# Altium PCB 400151.PcbDoc (part 1 of 2) (continued)
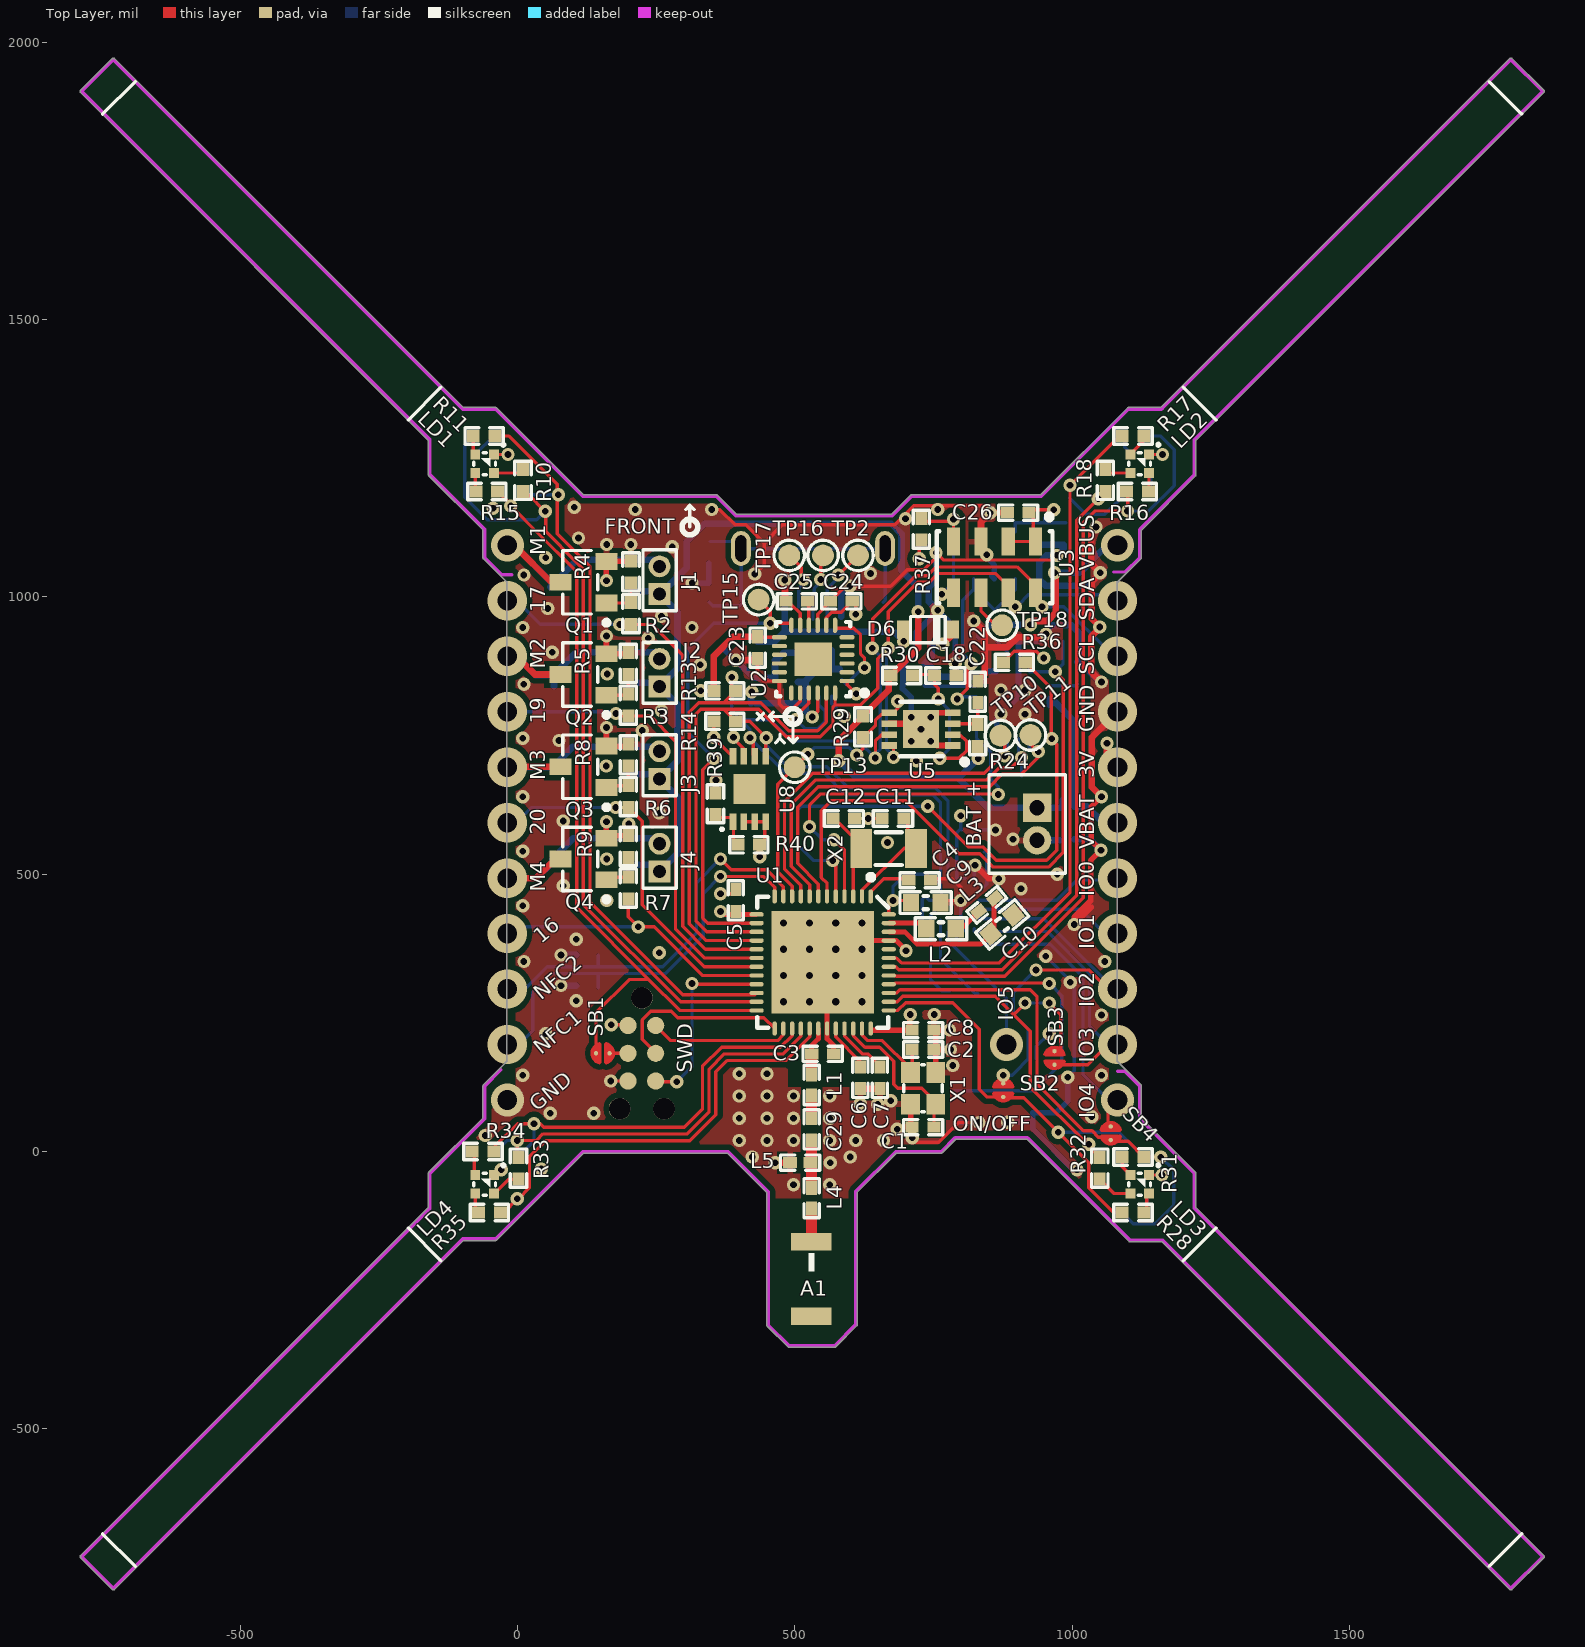
[diagram p0: Top Layer view]
## Components (designator, comment, footprint, x,y, rotation, side; value= is the part's Value field where it differs from the comment) (continued)
BAT "B2B-ZR" B2B-ZR 937.01,590.55 r270 top
C1 "12pF" CAPC1005X04L 731.5,44 r180 top
C2 "12pF" CAPC1005X04L 731.5,184 r0 top
C3 "0.8pF" CAPC1005X04L 550.5,176 r180 top
C4 "100nF" CAPC1005X04L 725.39,489.17 r0 top
C5 "100nF" CAPC1005X04L 393.7,452.76 r90 top
C6 "N.C." CAPC1005X04L 618.5,133 r90 top
C7 "100pF" CAPC1005X04L 653.5,133 r270 top
C8 "100nF" CAPC1005X04L 731.5,219 r0 top
C9 "4.7µF" CAPC1608X06L 736.22,448.82 r0 top
C10 "1.0µF" CAPC1608X06L 874.02,409.45 r220 top
C11 "12pF" CAPC1005X04L 677.17,600.39 r180 top
C12 "12pF" CAPC1005X04L 588.58,600.39 r0 top
C13 "1.0µF" CAPC1005X04L 845,975 r0 bottom
C14 "1.0µF" CAPC1005X04L 985.31,1114 r90 bottom
C15 "100nF" CAPC1005X04L 946.81,1114 r90 bottom
C16 "4.7µF" CAPC1005X04L 714.97,880 r180 bottom
C17 "22µF" CAPC2012X11L 1003.94,592.52 r270 bottom
C18 "1.0µF" CAPC1005X04L 771.65,858.27 r180 top
C19 "100nF" CAPC1005X04L 346.46,1003.94 r270 bottom
C20 "10µF" CAPC1608X06L 393.7,917.32 r0 bottom
C21 "100nF" CAPC1005X04L 464.57,901.57 r90 bottom
C22 "100nF" CAPC1005X04L 830,829 r270 top
C23 "100nF" CAPC1005X04L 433.07,908.46 r90 top
C24 "10nF" CAPC1005X04L 584.18,992.12 r0 top
C25 "100nF" CAPC1005X04L 503.94,992.13 r0 top
C26 "100nF" CAPC1005X04L 903,1152 r180 top
C27 "130pF" CAPC1005X04L 125.98,354.33 r180 bottom
C28 "130pF" CAPC1005X04L 125.98,299.21 r0 bottom
C29 "1.2pF" CAPC1005X04L 530.5,40 r270 top
C30 "100nF" CAPC1005X04L 817.98,580 r180 bottom
C31 "4.7µF" CAPC1608X06L 421.26,834.65 r270 bottom
C32 "100nF" CAPC1005X04L 464.57,822.83 r270 bottom
D1 "BAT42W" SOD-123 206.04,1023.01 r180 bottom
D2 "BAT42W" SOD-123 206.04,857.01 r180 bottom
D3 "BAT42W" SOD-123 206.04,691 r180 bottom
D4 "BAT42W" SOD-123 206.04,525 r180 bottom
D5 "ZLLS410TA" SOD-323 790.35,919.29 r0 bottom
D6 "ZLLS410TA" SOD-323 740.16,940.94 r180 top
J1 "Pin List 1x2 1.27mm" LIST_1x2_TH_1.27mm_N.C. 256.4,1030 r90 top
J2 "Pin List 1x2 1.27mm" LIST_1x2_TH_1.27mm_N.C. 256.4,863.33 r90 top
J3 "Pin List 1x2 1.27mm" LIST_1x2_TH_1.27mm_N.C. 256.4,696.67 r90 top
J4 "Pin List 1x2 1.27mm" LIST_1x2_TH_1.27mm_N.C. 256.4,530 r90 top
J6 "MicroUSB-B" USB-Micro-B-RA-SMD-PiP 533,982 r270 bottom
L1 "3.9nH" INDC1005X04L 530.5,120 r270 top
L2 "10µH" INDC1608X06L 763.78,401.57 r180 top
L3 "15nH" INDC1005X04L 846.46,444.88 r220 top
L4 "3.3nH" INDC1005X04L 530.5,-83.94 r270 top
L5 "2.7nH" INDC1005X04L 510,-20 r0 top
LD1 "LED RGB" SML-LX0404SIUPGUSB -59.06,1240.16 r0 top
LD1B "LED RGB" SML-LX0404SIUPGUSB -59.06,1240.16 r90 bottom
LD2 "LED RGB" SML-LX0404SIUPGUSB 1122.05,1240.16 r0 top
LD2B "LED RGB" SML-LX0404SIUPGUSB 1122,1240 r90 bottom
LD3 "LED RGB" SML-LX0404SIUPGUSB 1122.05,-59.06 r0 top
LD3B "LED RGB" SML-LX0404SIUPGUSB 1122,-59 r90 bottom
LD4 "LED RGB" SML-LX0404SIUPGUSB -59.06,-59.06 r0 top
LD4B "LED RGB" SML-LX0404SIUPGUSB -59,-59 r90 bottom
LOGO1 "Nordic Logo M" NORDIC_LOGO_M 529,42 r90 bottom
Q1 "PMV31XN" SOT-23a 160.58,989.01 r90 top
Q2 "PMV31XN" SOT-23a 160.58,822.68 r90 top
Q3 "PMV31XN" SOT-23a 160.58,656.34 r90 top
Q4 "PMV31XN" SOT-23a 160.58,490 r90 top
R1 "1k" RESC1005X04L 713.99,840 r180 bottom
R2 "100R" RESC1005X04L 205,970 r90 top
R3 "100R" RESC1005X04L 200,805 r90 top
R4 "10k" RESC1005X04L 205,1045 r270 top
R5 "10k" RESC1005X04L 200,880 r270 top
R6 "100R" RESC1005X04L 200,640 r90 top
R7 "100R" RESC1005X04L 200,475 r90 top
R8 "10k" RESC1005X04L 200,715 r270 top
R9 "10k" RESC1005X04L 200,550 r270 top
R10 "2k2" RESC1005X04L 10,1210 r90 top
R10B "2k2" RESC1005X04L -60,1290 r0 bottom
R11 "680R" RESC1005X04L -60,1290 r180 top
R11B "680R" RESC1005X04L 10,1210 r90 bottom
R12 "10k" RESC1005X04L 346.46,1082.68 r90 bottom
R13 "4k7" RESC1005X04L 374.02,830.71 r180 top
R14 "4k7" RESC1005X04L 374.02,775.59 r180 top
R15 "820R" RESC1005X04L -55,1190 r180 top
R15B "820R" RESC1005X04L -50,1190 r180 bottom
R16 "2k2" RESC1005X04L 1118,1190 r0 top
R16B "2k2" RESC1005X04L 1110,1290 r180 bottom
R17 "680R" RESC1005X04L 1110,1290 r0 top
R17B "680R" RESC1005X04L 1118,1190 r0 bottom
R18 "820R" RESC1005X04L 1060,1210 r90 top
R18B "820R" RESC1005X04L 1060,1210 r90 bottom
R19 "12k" RESC1005X04L 735,480 r90 bottom
R20 "1k" RESC1005X04L 967.52,921.26 r180 bottom
R21 "10k" RESC1005X04L 889.76,921.26 r0 bottom
R22 "12k" RESC1005X04L 818.97,545 r180 bottom
R23 "10k" RESC1005X04L 1010,863 r270 bottom
R24 "150R" RESC1005X04L 830,750 r270 top
R25 "10k" RESC1005X04L 963.58,167.32 r0 bottom
R28 "2k2" RESC1005X04L 1110,-110 r0 top
R28B "2k2" RESC1005X04L 1110,-10 r180 bottom
R29 "4k7" RESC1005X04L 623.03,765.75 r90 top
R30 "1k" RESC1005X04L 692.91,858.27 r0 top
R31 "680R" RESC1005X04L 1110,-10 r180 top
R31B "680R" RESC1005X04L 1110,-110 r0 bottom
R32 "820R" RESC1005X04L 1050,-30 r270 top
R32B "820R" RESC1005X04L 1050,-30 r270 bottom
R33 "2k2" RESC1005X04L 2,-30 r270 top
R33B "2k2" RESC1005X04L -62,-4 r180 bottom
R34 "680R" RESC1005X04L -62,0 r180 top
R34B "680R" RESC1005X04L 2,-30 r270 bottom
R35 "820R" RESC1005X04L -50.32,-110 r180 top
R35B "820R" RESC1005X04L -50.32,-110 r180 bottom
R36 "10k" RESC1005X04L 896,882 r180 top
R37 "N.C." RESC1005X04L 728.35,1122.05 r270 top
R38 "0R" RESC1005X04L 728.35,1122.05 r90 bottom
R39 "N.C." RESC1005X04L 357.28,626.97 r90 top
R40 "0R" RESC1005X04L 417.32,553.15 r180 top
SB1 "Solderbridge" Solderbridge 154.04,177.17 r180 top
SB2 "Solderbridge" Solderbridge 875.98,110.73 r90 top
SB3 "Solderbridge" Solderbridge 968.5,168.8 r270 top
SB4 "Solderbridge" Solderbridge 1069.88,32.97 r90 top
SW1 "PTS840 GK SMTR LFS" EVQP7A/J/B/K 858,85 r180 bottom
SWD "TC2030-CTX-NL" TC2030-IDC-NLFP 224.41,177.17 r270 top
TP2 "Ø1.0mm,SMD" TP_SMD_Ø1.0mm 614.17,1074.8 r0 top
TP8 "Ø1.0mm,SMD" TP_SMD_Ø1.0mm 853.56,677.17 r180 bottom
TP9 "Ø1.0mm,SMD" TP_SMD_Ø1.0mm 512.8,629.92 r180 bottom
TP10 "Ø1.0mm,SMD" TP_SMD_Ø1.0mm 871,750 r0 top
TP11 "Ø1.0mm,SMD" TP_SMD_Ø1.0mm 925.2,750.98 r0 top
TP12 "Ø1.0mm,SMD" TP_SMD_Ø1.0mm 909.45,677.17 r180 bottom
TP13 "Ø1.0mm,SMD" TP_SMD_Ø1.0mm 500,692.91 r0 top
TP14 "Ø1.0mm,SMD" TP_SMD_Ø1.0mm 705,405 r180 bottom
TP15 "Ø1.0mm,SMD" TP_SMD_Ø1.0mm 435.04,995.08 r0 top
TP16 "Ø1.0mm,SMD" TP_SMD_Ø1.0mm 551.18,1074.8 r0 top
TP17 "Ø1.0mm,SMD" TP_SMD_Ø1.0mm 490.16,1074.8 r0 top
TP18 "Ø1.0mm,SMD" TP_SMD_Ø1.0mm 874.02,948.82 r0 top
TP20 "Ø1.0mm,SMD" TP_SMD_Ø1.0mm 830,280 r180 bottom
TP21 "Ø1.0mm,SMD" TP_SMD_Ø1.0mm 775,280 r180 bottom
U1 "nRF52832-QFAA" QFN40P600X600X90-48N 550.5,341 r270 top locked
U2 "MPU-9250" QFN40P300X300X105_HS-25N 533.46,887.8 r180 top
U3 "MS5611" QFN125P300X500X100-8N 860.46,1053.74 r270 top
U4 "BQ24075" QFN50P300X300X100_HS-17N 893.67,810 r180 bottom
U5 "MAX17043" MAX17043 727.72,761.65 r180 top
U6 "PCAL6408A" XQFN40P180X260X50-16N 800,445 r180 bottom
U7 "TLV70230DBVT" SOT-23-5 860,1074.99 r180 bottom
U8 "24AA64F" 24AA64F 418.31,653.54 r0 top
U9 "LPS25H" "HCLGA-10L (2.5x2.5x1.0mm)" 543.31,858.27 r180 bottom
X1 "32MHz" BT-XTAL_2016 731.5,114 r90 top
X2 "32.768kHz" XTAL_3215 669.29,546.26 r180 top

## Footprints (in the part's own frame and the unit in brackets; to place one, negate y for a bottom-side part, rotate by r counter-clockwise, add the part's x,y. Pads: shape width x height; smd on the part's side, far side on the other; paste and mask are expansions set on the pad)
24AA64F [mm]
  rect 0.3x0.75 smd: 1(-0.75,-1.5) 2(-0.25,-1.5) 3(0.25,-1.5) 4(0.75,-1.5) 5(0.75,1.5) 6(0.25,1.5) 7(-0.25,1.5) 8(-0.75,1.5)
  rect 1.46x1.36 smd: ""(0,0)
  silkscreen extent -1.27,-1.85 -1.25,-1.83, body extent -1,-1.98 1,1.98, height 1
2450AT18B100 [mm] "2450MHz Antenna"
  rect 0.8x1.85 smd: 1(-1.7,0) 2(1.7,0)
  Top Layer pour cut-out: -3.71,-4.94 -3.71,4.93 6.09,4.93 6.09,-4.94
  Bottom Layer pour cut-out: -3.71,-4.94 -3.71,4.93 6.09,4.93 6.09,-4.94
  silkscreen extent -1.18,-0.14 -0.34,0.14, body extent -1.7,-0.9 1.7,0.9, height 1.4
B2B-ZR [mm]
  rect 1.3x1.3 hole 0.7: 1(-0.75,0)
  round 1.3 hole 0.7: 2(0.75,0)
  silkscreen extent -2.25,-2.2 2.25,1.3
BT-XTAL_2016 [mm] "Crystal 2.0 x 1.6 mm"
  rect 0.95x0.85 smd: 1(-0.725,-0.575) 2(0.725,-0.575) 3(0.725,0.575) 4(-0.725,0.575)
  silkscreen extent -1.08,-0.88 1.08,0.88, body extent -1.05,-0.85 1.05,0.85, height 0.56
CAPC1005X04L [mm] "Chip Capacitor, 2-Leads, Body 1.0x0.5mm, IPC High Density"
  rect 0.6x0.5 smd: 1(-0.5,0) 2(0.5,0)
  silkscreen extent -0.9,-0.35 0.9,0.35, body extent -0.51,-0.25 0.51,0.25, height 0.5
CAPC1608X06L [mm] "Chip Capacitor, 2-Leads, Body 1.6x0.8mm, IPC High Density"
  rect 0.75x0.8 smd: 1(-0.675,0) 2(0.675,0)
  silkscreen extent -1.17,-0.5 1.17,0.5, body extent -0.8,-0.43 0.8,0.43, height 0.8
CAPC2012X11L [mm] "Chip Capacitor, 2-Leads, Body 2.0x1.3mm, IPC High Density"
  rect 1.1x1.4 smd: 1(-0.75,0) 2(0.75,0)
  silkscreen extent -1.43,-0.8 1.42,0.8, body extent -1,-0.62 1,0.63, height 0.77
EVQP7A/J/B/K [mm] "Subminiature Side Actuated Tact Switch for SMT"
  rect 1.4x1.05 smd: 1(-1.8,0.725) 1(1.8,0.725) 2(-1.8,-0.725) 2(1.8,-0.725)
  silkscreen extent -1.75,-2.1 1.75,1.45, body extent -2.35,-2.1 2.35,1.45, height 1.35
"HCLGA-10L (2.5x2.5x1.0mm)" [mm] "LGA, 10-Leads, Body 2.50x2.50mm, Pitch 0.60mm"
  rect 0.8x0.4 smd mask+0.051: 1(-1.05,0.3) 2(-1.05,-0.3) 6(1.05,-0.3) 7(1.05,0.3)
  rect 0.4x0.8 smd mask+0.051: 3(-0.6,-1.05) 4(0,-1.05) 5(0.6,-1.05) 8(0.6,1.05) 9(0,1.05) 10(-0.6,1.05)
  silkscreen extent -2.18,-1.4 1.4,1.4, body extent -1.25,-1.25 1.25,1.25, height 1.09
INDC1005X04L [mm] "Chip Inductor, 2-Leads, Body 1.0x0.5mm, IPC High Density"
  rect 0.65x0.5 smd: 1(-0.475,0) 2(0.475,0)
  silkscreen extent -0.9,-0.35 0.9,0.35, body extent -0.5,-0.3 0.5,0.3, height 0.5
INDC1608X06L [mm] "Chip Inductor, 2-Leads, Body 1.6x0.8mm, IPC High Density"
  rect 0.75x0.8 smd: 1(-0.675,0) 2(0.675,0)
  silkscreen extent -1.18,-0.5 1.17,0.5, body extent -0.8,-0.48 0.8,0.48, height 0.8
LIST_1x2_TH_1.27mm_N.C. [mm]
  rect 1x1 hole 0.6: 1(-0.635,0)
  round 1 hole 0.6: 2(0.635,0)
  silkscreen extent -1.4,-0.76 1.4,0.76
MAX17043 [mm]
  rect 0.7x0.3 smd: 1(-1.45,0.75) 2(-1.45,0.25) 3(-1.45,-0.25) 4(-1.45,-0.75) 5(1.45,-0.75) 6(1.45,-0.25) 7(1.45,0.25) 8(1.45,0.75)
  rect 1.63x1.75 smd: 9(0,0)
  silkscreen extent -2.13,-1.25 0.95,1.62, body extent -1.5,-1.25 1.5,1.25, height 1.1
NORDIC_LOGO_M [mil] "Medium Nordic Logo"
  silkscreen extent -80,-78 90,80
QFN40P300X300X105_HS-25N [mm] "QFN, 24-Leads, Body 3,00x3,00mm, Pitch 0,40mm, Thermal Pad 1,54x1,70mm, IPC Medium Density"
  rect 1.7x1.54 smd: 0(0,0)
  oval 0.7x0.2 smd: 1(-1.55,1) 2(-1.55,0.6) 3(-1.55,0.2) 4(-1.55,-0.2) 5(-1.55,-0.6) 6(-1.55,-1) 13(1.55,-1) 14(1.55,-0.6) 15(1.55,-0.2) 16(1.55,0.2) 17(1.55,0.6) 18(1.55,1)
  oval 0.2x0.7 smd: 7(-1,-1.55) 8(-0.6,-1.55) 9(-0.2,-1.55) 10(0.2,-1.55) 11(0.6,-1.55) 12(1,-1.55) 19(1,1.55) 20(0.6,1.55) 21(0.2,1.55) 22(-0.2,1.55) 23(-0.6,1.55) 24(-1,1.55)
  silkscreen extent -2.48,-1.7 1.7,1.7, body extent -1.55,-1.55 1.55,1.55, height 1.05
QFN40P600X600X90-48N [mm] "QFN, 48-Leads, Body 6,0x6,0mm (max), Pitch 0,40mm, IPC Medium Density"
  oval 0.65x0.2 smd: 1(-3.025,2.2) 2(-3.025,1.8) 3(-3.025,1.4) 4(-3.025,1) 5(-3.025,0.6) 6(-3.025,0.2) 7(-3.025,-0.2) 8(-3.025,-0.6) 9(-3.025,-1) 10(-3.025,-1.4) 11(-3.025,-1.8) 12(-3.025,-2.2) 25(3.025,-2.2) 26(3.025,-1.8) 27(3.025,-1.4) 28(3.025,-1) 29(3.025,-0.6) 30(3.025,-0.2) 31(3.025,0.2) 32(3.025,0.6) 33(3.025,1) 34(3.025,1.4) 35(3.025,1.8) 36(3.025,2.2)
  oval 0.2x0.65 smd: 13(-2.2,-3.025) 14(-1.8,-3.025) 15(-1.4,-3.025) 16(-1,-3.025) 17(-0.6,-3.025) 18(-0.2,-3.025) 19(0.2,-3.025) 20(0.6,-3.025) 21(1,-3.025) 22(1.4,-3.025) 23(1.8,-3.025) 24(2.2,-3.025) 37(2.2,3.025) 38(1.8,3.025) 39(1.4,3.025) 40(1,3.025) 41(0.6,3.025) 42(0.2,3.025) 43(-0.2,3.025) 44(-0.6,3.025) 45(-1,3.025) 46(-1.4,3.025) 47(-1.8,3.025) 48(-2.2,3.025)
  rect 4.7x4.7 smd: 49(0,0)
  silkscreen extent -4.02,-3 3,3, body extent -3.02,-3.02 3.02,3.02, height 0.86
QFN50P300X300X100_HS-17N [mm] "QFN, 16-Leads, Body 3,00x3,00mm, Pitch 0,50mm, Thermal Pad 2,05x2,05mm, IPC Medium Density"
  oval 0.9x0.25 smd: 1(-1.675,0.75) 2(-1.675,0.25) 3(-1.675,-0.25) 4(-1.675,-0.75) 9(1.675,-0.75) 10(1.675,-0.25) 11(1.675,0.25) 12(1.675,0.75)
  oval 0.25x0.9 smd: 5(-0.75,-1.675) 6(-0.25,-1.675) 7(0.25,-1.675) 8(0.75,-1.675) 13(0.75,1.675) 14(0.25,1.675) 15(-0.25,1.675) 16(-0.75,1.675)
  rect 2.05x2.05 smd: 17(0,0)
  silkscreen extent -2.5,-1.73 1.73,1.73, body extent -1.58,-1.58 1.58,1.58, height 1
QFN125P300X500X100-8N [mm] "QFN, 8-Leads, Body 3,00x5,00mm, Pitch 1,25mm, IPC Medium Density"
  rect 1.3x0.6 smd: 1(-1.175,1.875) 2(-1.175,0.625) 3(-1.175,-0.625) 4(-1.175,-1.875) 5(1.175,-1.875) 6(1.175,-0.625) 7(1.175,0.625) 8(1.175,1.875)
  silkscreen extent -2.42,-2.65 1.65,2.65, body extent -1.51,-2.49 1.49,2.51, height 1
RESC1005X04L [mm] "Chip Resistor, 2-Leads, Body 1.0x0.5mm, IPC High Density"
  rect 0.6x0.55 smd: 1(-0.5,0) 2(0.5,0)
  silkscreen extent -0.87,-0.38 0.88,0.38, body extent -0.5,-0.25 0.5,0.25, height 0.3
SML-LX0404SIUPGUSB [mm]
  rect 0.45x0.45 smd paste+0: 1(0.425,-0.425) 2(-0.425,0.425) 3(-0.425,-0.425) 4(0.425,0.425)
  silkscreen extent -0.5,-0.5 0.92,0.93, body extent -0.5,-0.5 0.5,0.5, height 0.25
SOD-123 [mil]
  rect 36x48 smd: 1(140,0) 3(0,0)
  silkscreen extent 20,-25 120,25, body extent -3,-31 143,32, height 50
SOD-323 [mm]
  rect 0.63x0.83 smd: 1(1.1,0) 3(-1.1,0)
  silkscreen extent -0.8,-0.6 0.8,0.6, body extent -1.3,-0.67 1.3,0.67, height 1.1
Solderbridge [mm]
  round 0.2 smd paste-10: 1(-0.312,0) 2(0.312,0)
  Top Layer region: -0.077,-0.432 -0.152,-0.505 -0.271,-0.467 -0.335,-0.424 -0.409,-0.351 -0.462,-0.292 -0.521,-0.193 -0.549,-0.099 -0.544,0.122 -0.518,0.193 -0.434,0.33 -0.351,0.411 -0.259,0.469 -0.157,0.5 -0.107,0.483 -0.077,0.43
  Top Layer region: 0.077,0.432 0.152,0.505 0.271,0.467 0.335,0.424 0.409,0.351 0.462,0.292 0.521,0.193 0.549,0.099 0.544,-0.122 0.518,-0.193 0.434,-0.33 0.351,-0.411 0.259,-0.469 0.157,-0.5 0.107,-0.483 0.077,-0.43
  Top Layer lines w0.152: 0.153,0.431 cw(c0.042,0) 0.153,-0.431 ; -0.153,0.431 ccw(c-0.042,0) -0.153,-0.431
SOT-23-5 [mm] "SOT-23/SC-74A; 5 Leads; Body 3.1 x 3 mm, inc. leads (LxW max)"
  rect 0.55x1.45 smd: 1(-0.95,-1.075) 2(0,-1.075) 3(0.95,-1.075) 4(0.95,1.075) 5(-0.95,1.075)
  silkscreen extent -1.57,-1.35 1.55,0.9, body extent -1.5,-1.5 1.5,1.5, height 1.3
SOT-23a [mil] "SOT-23 footprint"
  rect 30x40 smd: 1(0,0) 2(74.8,0) 3(37.4,82.68)
  silkscreen extent -39,-4 94,79, body extent -20,-5 95,87, height 39
TC2030-IDC-NLFP [mil]
  round 39 hole 39 unplated: 0(-100,0) 0(100,40) 0(100,-40)
  round 31 smd paste-196.85: 1(-50,-25) 2(-50,25) 3(0,-25) 4(0,25) 5(50,-25) 6(50,25)
  Top Layer pour cut-out: -50,25 -50,-25 50,-25 50,25
TP_SMD_Ø1.0mm [mm]
  round 1 smd paste-5: 1(0,0)
  silkscreen extent -0.7,-0.7 0.7,0.7
USB-Micro-B-RA-SMD-PiP [mm] "Micro USB B SMT"
  rect 1.35x0.4 smd: 1(0,1.3) 2(0,0.65) 3(0,0) 4(0,-0.65) 5(0,-1.3)
  oval 1.6x0.9 hole 0.5 slot 1.2 at 0 deg: 6(-2.675,-3.3) 6(-2.675,3.3)
  oval 2x1.5 on Bottom Paste: 6(-2.675,-3.3) 6(-2.675,3.3)
  rect 1.55x1.9 smd: 6(-2.675,-1.2) 6(-2.675,1.2)
  rect 1.4x1.6 smd: 6(-0.225,-3.2) 6(-0.225,3.2)
  silkscreen extent -4.75,-3.75 0.25,3.75, body extent -5.28,-4.1 0.15,4.1, height 2.72
XQFN40P180X260X50-16N [mm] "QFN, 16-Leads, Body 1.80x2.60mm, Pitch 0.40mm, IPC Medium Density"
  oval 0.65x0.22 smd paste-0.02 mask+0.062: 1(-0.825,0.6) 2(-0.825,0.2) 3(-0.825,-0.2) 4(-0.825,-0.6) 9(0.825,-0.6) 10(0.825,-0.2) 11(0.825,0.2) 12(0.825,0.6)
  oval 0.22x0.65 smd paste-0.02 mask+0.062: 5(-0.6,-1.225) 6(-0.2,-1.225) 7(0.2,-1.225) 8(0.6,-1.225) 13(0.6,1.225) 14(0.2,1.225) 15(-0.2,1.225) 16(-0.6,1.225)
  silkscreen extent -1.45,-1.4 1,1.4, body extent -0.91,-1.31 0.91,1.31, height 0.55
XTAL_3215 [mm] "XTAL SMD 3.2 x 1.5 mm"
  rect 1x1.8 smd: 1(-1.25,0) 2(1.25,0)
  silkscreen extent -0.6,-0.75 0.6,0.75, body extent -1.6,-0.75 1.6,0.75, height 0.81

## Part data
A1: library part "Johanson 2450AT18B100", "2.45 GHz chip antenna"
BAT: "CONN JST 2POS 0.059\" (1.50mm)"
C1 C2 C11 C12: library part C0402-12p, "Capacitor, NP0, ±2%"
C3: library part C0402-0.8p, "Capacitor, NP0, ±5%"
C4 C5 C8 C15 C19 C21 C22 C23 C25 C26 C30 C32: library part C0402-100n, "Capacitor, X7R, ±10%"
C6: library part C0402-N.C., "Not mounted"
C7: library part C0402-100p, "Capacitor, NP0, ±5%"
C9 C31: library part C0603-4µ7, "Capacitor, X5R, ±10%"
C10: library part C0603-1µ0, "Capacitor, X7R, ±10%"
C13 C14 C18: library part C0402-1µ0, "Capacitor, X5R, ±5%"
C16: library part C0402-4µ7, "Capacitor, X5R, ±20%"
C17: library part C0805-22µ, "Capacitor, X5R, ±10%"
C20: library part C0603-10µ, "Capacitor, X5R, ±20%"
C24: library part C0402-10n, "Capacitor, X7R, ±10%"
C27 C28: library part C0402-130p, "Chip Cap 0402"
C29: library part C0402-1.2p, "Capacitor, NP0, ±0.1pF"
D1 D2 D3 D4: "Diode Schottky, Vr=30V, If=200mA, Vf=400mV, SOD-123"
D5 D6: "DIODE SCHOTTKY 10V 0.57A SOD323"
J1 J2 J3 J4: library part "Pin List 1x2 TH, 1.27mm, N.C.", "Pin List 1x2, 1.27mm (50mil), N.C."
J6: library part USB-Micro-B-RA-SMD-PiP, "MicroUSB-B-SMT"
L1: library part L0402-3n9, "Inductor, 170mA, ±0.1nH"
L2: library part L0603-10µ, "Inductor, 80mA, ±10%"
L3: library part L0402-15n, "Inductor, 320mA, ±5%"
L4: library part L0402-3n3, "Inductor, 190mA, ±0.1nH"
L5: library part L0402-2n7, "Inductor, 220mA, ±0.1nH"
LD1 LD1B LD2 LD2B LD3 LD3B LD4 LD4B: library part SML-LX0404SIUPGUSB, "RGB LED 1.00 mm x 1.00 mm SMD"
LOGO1: "Nordic Logo, medium size"
Q1 Q2 Q3 Q4: "N-channel TrenchMOS FET"
R1 R20 R30: library part R0402-1k0, "Resistor, ±1%, 0.063W"
R2 R3 R6 R7: library part R0402-100, "Resistor, ±1%, 0.063W"
R4 R5 R8 R9 R12 R21 R23 R25 R36: library part R0402-10k, "Resistor, ±1%, 0.063W"
R10 R10B R16 R16B R28 R28B R33 R33B: library part R0402-2k2, "Resistor, ±1%, 0.063W"
R11 R11B R17 R17B R31 R31B R34 R34B: library part R0402-680, "Resistor, ±1%, 0.063W"
R13 R14 R29: library part R0402-4k7, "Resistor, ±1%, 0.063W"
R15 R15B R18 R18B R32 R32B R35 R35B: library part R0402-820, "Resistor, ±1%, 0.063W"
R19 R22: library part R0402-12k, "Resistor, ±1%, 0.063W"
R24: library part R0402-150, "Resistor, ±1%, 0.063W"
R37 R39: library part R0402-N.C., "Not mounted"
R38 R40: library part R0402-0R, "Resistor, ±5%, 0.063W"
SW1: "Microminiature SMT Switch, Side Actuated"
SWD: "CBL PLUG-OF-NAILS 6-PIN"
TP2 TP8 TP9 TP10 TP11 TP12 TP13 TP14 TP15 TP16 TP17 TP18 TP20 TP21: library part TP_SMD_Ø1.0MM, "1.0mm circular SMD testpad"
U1: "Multi-protocol Bluetooth Low Energy, ANT and 2.4GHz proprietary system-on-chip"
U2: "9-axis MotionTracking™ Device"
U3: library part MS5611-01BA03, "Accurate Pressure/Altitude and Temperature sensor with I2C and SPI interface"
U4: "IC SINGLE CELL USB LI-ION CHARGER"
U5: "IC FUEL FUAGE LI-ION"
U6: library part PCAL6408AHK, "8-bit I2C-bus I/O expander with interrupt output"
U7: "IC REG LDO 3V 300MA SOT23-5"
U8: "IC EEPROM 64K with I2C interface TDFN-8"
U9: library part "LPS25H (NRND)", "MEMS pressure sensor: 260-1260 hPa absolute digital output barometer"
X1: library part XTAL_SMD2016_32MHz_8pF_Kyocera, "XTAL SMD 2016, 32MHz, Cl=8pF, Tot: ±40ppm"
X2: library part XTAL_SMD3215_32.768kHz_9pF_Seiko, "XTAL SMD 2012, 32.768kHz, 9pF, ±20ppm"

## Via types
v1: diameter 24, hole 12, Top Layer to Bottom Layer, tented both sides, 222 vias
v2: diameter 70.87, hole 35.43, Top Layer to Bottom Layer, 18 vias
v3: diameter 25.98, hole 12.99, Top Layer to Bottom Layer, tented both sides, 16 vias
v4: diameter 59.06, hole 35.43, Top Layer to Bottom Layer, 5 vias
v5: diameter 24, hole 12, Top Layer to Bottom Layer, 4 vias

## Nets (pads, with @x,y where several pads share a name; then routed paths per layer and width w, separated by ;. In a path a pad name is that pad's centre, name@x,y a point inside that pad or via, vN(x,y) a via of type N, cw(c..) or ccw(c..) an arc to the next point about the centre after c; other vN are vias at no path point)
AUX_CL: U2.7 U9.2 | length 190.9
  Top Layer w6: U2.7@572.83,948.82 572.83,943.28 606.93,943.28 618.8,931.42 618.8,896.95 626.01,889.73 v1(626.01,872.09) ; v1@622.05,879.86 626.01,875.89 v1(626.01,872.09) ; v1@622.95,872.05 v1@629.88,878.98 ; v1@622.99,872.09 v1(626.01,872.09)
  Bottom Layer w6: U9.2@584.65,850.4 592.52,842.52 617.17,867.16 v1@621.09,867.16
AUX_DA: U2.21 U9.4 | length 183
  Top Layer w6: v1@501.99,779.64 v1(501.99,778.58) 501.99,784.47 525.59,808.07 U2.21@525.59,826.77
  Bottom Layer w6: v1(501.99,778.58) 501.99,769.71 506.43,774.15 517.78,762.8 542.32,762.8 555.12,775.59 555.12,793.81 543.31,805.62 U9.4@543.31,820.87
BAT_ALRT: R29.1 TP13.1 U1.10 U5.5 | length 546.1
  Top Layer w6: U1.10@495.38,460.09 495.38,478.7 469.57,504.5 469.57,662.49 v1(523.62,716.54) ; v1@611.22,714.46 v1(611.76,715.01) 623.03,726.27 623.03,747.28 620,750.31 628.27,750.31 645.67,767.72 645.67,777.53 659.32,791.18 U5.5@670.63,791.18 677.99,791.18 686.06,799.25 v1(686.06,812.05) 681.16,816.94 679.17,814.94 v1@688.01,806.1 ; v1@686.06,806.16 v1@686.12,806.1
  Bottom Layer w6: v1@531.5,724.41 535.43,728.35 598.42,728.35 v1(611.76,715.01)
DEC1: C4.1 U1.1 | length 86
  Top Layer w6: U1.1@637.11,460.09 637.11,468.81 660.43,492.13 700.79,492.13 C4.1@700.79,496.06
DEC2: C6.2 U1.32 | length 88.3
  Top Layer w6: U1.32@574.12,221.91 574.12,206.7 618.5,162.33 C6.2@618.5,152
DEC3: C7.1 U1.33 | length 96
  Top Layer w6: U1.33@589.87,221.91 589.87,207.93 621.8,176 631.69,176 C7.1@650.75,156.94
DEC4: C10.2 L3.1 U1.46 | length 261.9
  Top Layer w9: U1.46@670.8,396.12 698.69,396.12 720.8,374.02 835.31,374.02 C10.2@849.72,388.43 ; C10.2@853.66,392.37 859.25,397.96 859.25,454.44 L3.1@861.71,456.9
GND: BAT.2 C1.2 C2.2 C3.1 C4.2 C5.2 C6.1 C7.2 C8.2 C9.2 C10.1 C11.2 C12.2 C13.1 C14.1 C15.1 C16.2 C17.2 C18.1 C19.1 C20.1 C21.1 C22.1 C23.1 C24.1 C25.1 C26.2 C27.2 C28.1 C30.1 C31.1 C32.1 J6.5 L5.1 Q1.2 Q2.2 Q3.2 Q4.2 R1.2 R4.1 R5.1 R8.1 R9.1 R12.1 R20.2 R21.2 R23.1 R38.1 R40.1 SW1.2 SWD.5 U1.31 U1.45 U1.49 U2.9 U2.11 U2.18 U2.20 U3.3 U4.8 U4.15 U4.17 U5.1 U5.4 U5.6 U5.9 U6.6 U6.16 U7.2 U8.2 U8.3 U8.4 U8.7 U9.3 U9.8 U9.9 X1.2 X1.4 | length 6690.3
  Top Layer w6: v1(168.11,127.17) SWD.5@199.41,127.17 ; v1(350.39,1157.48) 365.23,1157.48 392.79,1129.92 412.03,1129.92 444.88,1097.07 ; v1(366.14,464.57) 389.76,464.57 C5.2@397.64,472.44 ; v1(389.76,746.76) 389.76,744.09 410.43,723.43 410.43,715.55 U8.7@407.48,712.6 ; U8.2@407.48,594.49 446.85,594.49 445.87,593.5 445.87,560.04 440.94,555.12 R40.1@437.01,555.12 ; v1(428.15,1041.34) 444.88,1058.07 444.88,1097.07 ; C23.1@433.07,888.78 433.07,859.25 443.9,848.43 U2.18@472.44,848.43 472.44,807.09 479.33,800.2 498.03,800.2 509.84,812.01 U2.20@509.84,826.77 ; v1@437.01,523.62 v1(437.01,531.49) R40.1@437.01,553.15 ; 444.88,1089.57 444.88,1097.07 ; C25.1@487.27,987.2 493.11,987.2 509.84,970.47 U2.11@509.84,948.82 ; U2.9@541.34,948.82 541.34,968.97 C24.1@564.5,992.12 591.34,1018.97 v1(599.35,1018.97) 672.89,1018.97 702.88,1048.95 732.73,1048.95 754.96,1071.18 v1(754.96,1079.78) 768.33,1066.41 843.91,1066.41 846.5,1068.99 v1(846.5,1075.84) 846.5,1066.41 964.04,1066.41 v1(972.44,1074.8) ; C12.2@608.27,600.39 v1(632.9,600.42) 649.52,600.42 650.53,599.41 651.55,600.42 655.51,596.46 C11.2@661.42,602.36 ; C12.2@610.24,602.36 C12.2@616.14,596.46 ; v1(712,25) 720,17 760,17 795.46,52.46 v1(832.46,52.46) ; C4.2@740.16,496.06 744.09,492.13 783.46,492.13 799.21,476.38 v1(799.21,452.76) C9.2@756.57,452.76 ; v1(852.4,1151.63) 839.66,1164.37 714.57,1164.37 680.12,1129.92 477.73,1129.92 444.88,1097.07
  Top Layer w9: U1.49@558.5,316.68 558.5,203.23 569.8,191.94 C3.1@569.8,175.68 ; U1.49@637.11,380.37 U1.45@669.59,380.37 683.12,380.37 v1@695.25,368.25
  Top Layer w10: v1(160.58,594.42) 160.58,569.72 R9.1@200,569.72 ; v1(160.58,764.42) Q3.2@160.58,731.14 R8.1@201.99,731.14 ; v1(160.58,929.42) Q2.2@160.58,897.48 R5.1@201.33,897.48 ; v1(160.58,1029.42) Q1.2@160.58,1063.82 161.44,1064.68 R4.1@205,1064.68 ; C1.2@708.86,46.95 X1.4@708.86,85.46 ; C2.2@751.19,184 C2.2@754.14,184 ; C8.2@751.19,219 v1(779,219) ; X1.2@754.14,142.54 C2.2@754.14,184 ; C8.2@754.14,216.05 C2.2@754.14,184 ; U5.9@756.72,791.18 U5.4@784.28,791.18 ; U5.9@757.24,732.13 U5.1@784.8,732.13 ; v1(781,184) C2.2@754.14,184 ; v1@785.43,880.1 v1@785.57,879.96 ; v1(789.41,879.96) v1@785.57,879.96 ; C18.1@791.44,858.27 791.44,879.96 791.44,881.89 787.54,878 v1@785.57,879.96 ; v1(824.97,516.17) 849.15,492 v1(868,492) ; v1(852.4,1151.63) 882.83,1151.63 882.89,1151.57 C26.2@883.31,1152 ; 1034.63,440.14 v1(1003.94,409.45) 1003.94,422.56 1033.5,452.12 1033.5,524.64 v1(1052.17,543.31) 1034.63,560.84 1034.63,621.24 v1(1053.15,639.76)
  Top Layer w12: Q1.2@160,1064.39 Q1.2@160.58,1063.82 ; v1(393.7,885.82) 430.12,885.82 C23.1@433.07,888.78 ; v1(465,-20) L5.1@491.3,-20 ; C25.1@482.28,992.19 v1(482.28,1030.51) ; C6.1@618.5,113.31 C7.2@653.5,113.31 ; U5.6@670.63,771.5 717.87,771.5 v1(727.72,761.65) U5.9@747.4,741.97 ; v1(822.83,956.69) 842.52,937 842.52,909.45 ; C22.1@831.66,849.68 842.52,860.54 842.52,909.45 ; U3.3@835.86,1100 835.86,1135.08 v1(852.4,1151.63) ; v1(953.07,933.07) 947,927 901.5,927 883.95,909.45 842.52,909.45 ; v1(1043.31,1125.98) 1034.48,1117.16 1034.48,1060 v1(1051.18,1043.3) 1035.57,1027.69 1035.57,960.5 1051.18,944.88 1034.48,928.18 1034.48,865.13 v1(1053.15,846.46) ; v1(1053.15,639.76) 1035.57,657.35 1035.57,746.57 v2(1082,793)
  Bottom Layer w6: U9.3@566.93,820.87 566.93,807.08 v1(589.57,784.45) ; v1(712,25) 720,17 760,17 SW1.2@795.46,52.46 ; R38.1@730,1105.31 730,1100.71 750.93,1079.78 v1(754.96,1079.78) ; v1(799.21,452.76) 799.21,425.2 807.87,416.54 U6.6@807.87,396.77 ; U6.16@823.62,493.23 823.62,508.62 822,510.24 824.97,513.22 v1(824.97,516.17) ; C30.1@836.68,580 861.93,580 v1(862.2,579.72) v1@858.65,579.72 ; v1(952.76,352.36) 1004.08,301.04 1004.08,145.81 v1(992.13,133.86) ; R23.1@1010,882.68 1046.23,846.46 v1(1053.15,846.46)
  Bottom Layer w10: v1(315,1025) 315.32,1024.68 345,1024.68 R12.1@345,1060.31 ; C16.2@695.28,880 695.28,840.98 R1.2@694.3,840 694.3,834.24 694.5,834.05 695.17,834.05 710,819.22 710,788.87 v1@714.57,788.87 ; v1(757.83,976) 789.41,944.43 v1(789.41,879.96) ; SW1.2@795.46,52.46 v1(832.46,52.46) ; v1@847.49,1069.83 860,1057.32 860,1042.66 855,1037.66 U7.2@860,1032.66 ; U4.8@864.14,744.06 864.14,780.47 v5(872.02,788.35) ; v1(884,53) 925.41,53 SW1.2@928.87,56.46 ; U4.17@893.67,810 903.51,819.84 903.51,867.09 903.51,919.84 903.67,920 944.3,920 944.3,924.3 v1(953.07,933.07) 953.07,936.72 v1@953.07,937.08 ; v1@958,942.01 v1@955,939.01 ; v1@959,939 955.35,939 v1@955.01,939 ; v1(992.13,133.86) 992.13,90.55 971.57,70 928.87,70 SW1.2@928.87,56.46 ; v1(1009,-33) 1003.16,-33 928.87,41.29 SW1.2@928.87,56.46 ; v1@953.07,937.08 v1@954.99,939 ; v1@953.07,937.08 v1@955,939.01
  Bottom Layer w12: v1(78.74,299.21) C28.1@106.3,299.21 ; v1@80.71,354.33 C27.2@106.3,354.33 ; C20.1@371.06,908.46 v1(393.7,885.82) 425.19,854.33 464.57,854.33 464.57,878.94 C21.1@467.52,881.89 ; C21.1@464.57,885.83 466.54,885.83 480.32,899.61 539.37,899.61 U9.9@543.31,903.54 ; J6.5@584.18,964.57 J6.5@584.18,982 584.18,1005.44 597.71,1018.97 v1(599.35,1018.97) ; C16.2@695.28,880 719.85,904.56 719.85,936.39 757.83,974.37 v1(757.83,976) 742,991.83 742,1017.59 754.96,1030.55 v1(754.96,1079.78) ; BAT.2@935.04,561.02 C17.2@977.57,561.02 ; C15.1@946.81,1094.31 C14.1@985.31,1094.31 985.31,1087.67 v1(972.44,1074.8) 954.11,1074.8 940.94,1061.64 940.94,1031.5 952.13,1020.31 1028.18,1020.31 v1(1051.18,1043.3) ; v1@953.07,936.72 955.35,939 965.17,948.82 999.02,948.82 1014.76,933.07 1014.76,887.45 R23.1@1010,882.68 ; C17.2@1003.94,562.99 1032.48,562.99 v1(1052.17,543.31)
  other v1: 498,-60 563,-60 43.31,-31.5 564,-20 423.23,-9.84 600.39,-9.84 400,20 450,20 498,20 563,20 610,20 660,20 -58,29 685,40 400,60 450,60 498,60 563,60 1035.43,62.99 59.06,68.9 137.8,68.9 650,85 618,86 673.34,91.5 400,100 450,100 498,100 563,100 9.84,137.8 1053.15,137.8 400,140 450,140 785,155 51.18,212.6 1053.15,246.06 751.5,247 106.3,271.65 997.05,305.12 11.81,342.52 1059.06,342.52 78.74,354.33 255.91,358.27 700.79,362.2 106.3,382.87 9.84,442.91 161.42,452.76 908,474 83,479 973.43,500 161.42,527.56 9.84,541.34 667.32,557.09 893.7,562.99 200.79,590.55 83,596 255.91,610.24 9.84,639.76 160,695 719.49,704.72 710,740 745.43,740 75,741 9.84,744.88 225,759 710,783.31 745.43,783.31 260,795 11.81,842.52 162,861 329.72,877.95 63,900 236.22,925.2 9.84,944.88 314.96,944.88 1050.2,945.87 260,965 55,979 11.81,1039.37 636.81,1042.32 51.18,1070.87 279.53,1090.55 161.42,1094.49 204.72,1094.49 110.24,1106.3 699.8,1140.75 212.6,1157.48 757.87,1157.48 -44,1160 102.36,1161.42
  other v3: 479.63,270.13 526.88,270.13 574.12,270.13 621.37,270.13 479.63,317.38 526.88,317.38 574.12,317.38 621.37,317.38 479.63,364.62 526.88,364.62 574.12,364.62 621.37,364.62 479.63,411.87 526.88,411.87 574.12,411.87 621.37,411.87
  other v4: -18,93
  other v5: 915.33,788.35 872.02,831.65 915.33,831.65
INT_IMU: TP15.1 U1.14 U2.12 | length 873.9
  Top Layer w6: v1(354.33,708.66) 334,688.33 334,420.92 343.11,411.81 431.35,411.81 U1.14@431.41,411.87 ; TP15.1@435.04,995.08 455.94,974.17 v1(455.94,952.41) 490.5,952.41 U2.12@494.09,948.82
  Bottom Layer w6: v1(354.33,708.66) 307.09,755.91 307.09,905.51 353.98,952.41 v1(455.94,952.41) 456.35,952.41 v1@456.69,952.76
INT_IO_EXT: R19.1 TP14.1 U6.11 | length 92.1
  Bottom Layer w6: TP14.1@720,410 730,420 730,455.31 R19.1@735,460.31 742.44,452.87 U6.11@767.52,452.87
IO_EXT_0: U6.2 | length 248.5
  Bottom Layer w6: U6.2@832.48,452.87 972.87,452.87 1009.71,489.71 v2@1065.71,489.71
  other v2: 1082,493
IO_EXT_1: U6.3 | length 251.9
  Bottom Layer w6: U6.3@832.48,438 833.35,437.13 1015.18,437.13 v2@1059.3,393 ; v2@1069.14,393 v2@1075.56,393
  other v2: 1082,393
IO_EXT_2: SB2.2 U6.4 | length 697.8
  Top Layer w6: SB2.2@875.98,123.03 878.93,123.03 875.98,125.97 882.86,125.97 ; v1(935.04,327.43) 1030.57,327.43 v2@1065,293
  Bottom Layer w6: U6.4@832.48,420 948.76,420 1062,306.76 v2@1062,293 ; v1(875.98,137.79) 892.31,137.79 892.31,137.94 897.58,143.21 897.72,143.21 920.53,166.02 920.53,221.2 894,247.73 894,286.39 v1(935.04,327.43) ; v2@1071.84,293 v2@1075.56,293
  other v2: 1082,293
IO_EXT_3: SB3.2 U6.5 | length 496.5
  Top Layer w6: SB3.2@970.48,156.5 1028.5,156.5 v2@1065,193
  Bottom Layer w6: U6.5@823.62,401.77 U6.5@823.62,396.77 955.02,396.77 1031.68,320.1 1031.68,225.62 v2@1064.3,193 ; v2@1074.14,193 v2@1075.56,193
  other v2: 1082,193
IO_EXT_4: SB4.2 U6.7 | length 564.1
  Top Layer w6: v4@1065,93 1065,51.44 1065,50.15 SB4.2@1069.88,45.27
  Bottom Layer w6: U6.7@792.13,401.77 792.13,385.2 803.31,374.02 960.8,374.02 1019.68,315.13 1019.68,139.03 v4@1065.71,93
  other v4: 1082,93
IO_EXT_5: U6.8 | length 256.6
  Bottom Layer w6: U6.8@776.38,396.77 776.38,381.1 882,275.48 882,215 v4@860,193
  other v4: 882,193
IO_EXT_6: TP20.1 U6.9 | length 169.6
  Bottom Layer w6: 763.05,416.91 763.05,346.95 825,285 830,285 TP20.1@825,280
IO_EXT_7: TP21.1 U6.10 | length 186.5
  Bottom Layer w6: U6.10@767.52,437.13 755.95,437.13 745,426.18 745,310 765,290 TP21.1@780,290
LED1_BLUE: R15.1 R15B.1 SB1.2 U1.24 | length 1439.7
  Top Layer w6: R15.1@-35.32,1187.21 R15.1@-35.32,1190 -12,1166.68 v1(-12,1164) ; v1@-11.96,1164 39,1113.04 101.61,1050.42 ; 101.63,1050.42 106.9,1045.14 106.9,440.43 237.29,310.04 ; SB1.2@141.74,177.17 141.74,191.07 141.74,249.92 201.86,310.04 237.29,310.04 ; U1.24@431.41,254.39 292.94,254.39 237.29,310.04
  Bottom Layer w6: R15B.1@-30.32,1190 -30.32,1182.31 v1(-12,1164)
LED1_GREEN: R11.1 R11B.1 U1.22 | length 1369.8
  Top Layer w6: R11.1@-40.32,1290 -14.95,1290 72,1203.05 72,1186 v1(74,1184) ; v1@78.95,1184 v1(74,1184) ; U1.22@431.41,285.88 428.36,282.83 298.44,282.83 130.9,450.37 130.9,1055.09 72,1113.98 72,1182 v1(74,1184)
  Bottom Layer w6: R11B.1@10,1190.31 16.32,1184 v1(74,1184)
LED1_RED: R10.1 R10B.1 U1.23 | length 1470.5
  Top Layer w6: R10.1@10,1190.31 13.92,1190.31 v1@55.12,1149.12 ; v1@50.2,1154.04 v1(50.2,1154.58) 51,1153.78 51,1118 106.58,1062.42 118.9,1050.11 118.9,445.4 294.17,270.13 U1.23@431.41,270.13
  Bottom Layer w6: R10B.1@-79.68,1290 -95,1274.69 -95,1179.95 -54.05,1139 34.62,1139 v1(50.2,1154.58)
LED2_BLUE: R18.1 R18B.1 U1.42 | length 1164.3
  Top Layer w6: U1.42@669.59,333.13 682.62,333.13 687.75,328 874.02,328 1008.5,462.48 1008.5,725.36 1008.48,1138.4 v1(1047.24,1177.17) 1047.24,1177.56 R18.1@1060,1190.31
  Bottom Layer w6: v1(1047.24,1177.17) 1047.24,1177.56 R18B.1@1060,1190.31
LED2_GREEN: R17.1 R17B.1 U1.43 | length 1405
  Top Layer w6: U1.43@669.59,348.87 683.66,348.87 692.53,340 869.05,340 996.5,467.45 996.5,730.33 ; 996.48,730.35 v1(996.5,1201.55) ; v1(996.5,1201.55) 1084.95,1290 R17.1@1090.32,1290
  Bottom Layer w6: v1(996.5,1201.55) 996.5,1178.5 996,1178 1025,1149 1059.32,1149 R17B.1@1100.32,1190
LED2_RED: R16.1 R16B.1 U1.41 | length 1442.4
  Top Layer w6: U1.41@669.59,317.38 681.21,317.38 682.59,316 878.99,316 1020.5,457.51 1020.5,720.39 ; 1020.48,720.41 1020.48,1133.43 1042.05,1155 v1(1100,1155) 1100.32,1155.31 R16.1@1100.32,1190
  Bottom Layer w6: v1(1100,1155) 1138.5,1155 1184.27,1200.77 1184.27,1265.73 1160,1290 R16B.1@1129.68,1290
LED3_BLUE: R32.1 R32B.1 SB3.1 U1.38 | length 800.7
  Top Layer w6: U1.38@669.59,270.13 684.96,270.13 694.83,280 861.73,280 894.68,247.05 ; v1(915.35,267.72) 894.69,247.05 ; v1@956.69,275.59 956.69,269.73 979.71,246.72 979.71,186.4 968.5,175.2 SB3.1@968.5,181.1 ; v1@960.63,267.72 v1@960.63,271.65 ; R32.1@1050,-10.32 1030,9.68 v1(1030,13.03) 1028,13.03 925.01,116.02 925.01,216.72 894.69,247.05
  Bottom Layer w6: v1(915.35,267.72) 915.35,269.68 917.32,271.65 921.26,267.72 v1@960.63,267.72 ; v1(1030,13.03) 1050,-6.97 R32B.1@1050,-10.32
  other v1: 958.71,267.72
LED3_GREEN: R31.1 R31B.1 SB4.1 U1.39 | length 912.6
  Top Layer w6: U1.39@669.59,285.88 683.74,285.88 689.86,292 924.54,292 937.01,279.53 937.01,120.99 1020.6,37.4 1036.15,37.4 1047.55,26 1053.2,26 1064.21,15 SB4.1@1068.9,19.68 ; 1082.03,18.7 1100.98,18.7 R31.1@1129.68,-10 v1(1160,-10)
  Bottom Layer w6: R31B.1@1090.32,-110 1110.32,-130 1150,-130 1183.27,-96.73 1183.27,-33.27 v1(1160,-10)
LED3_RED: R28.1 R28B.1 SB2.1 U1.37 | length 843.8
  Top Layer w6: U1.37@669.59,254.39 686.19,254.39 699.8,268 785.43,268 832.68,220.76 832.68,112.2 846.46,98.43 862.08,98.43 SB2.1@875.98,98.43 ; 880.91,104.33 888.24,96.99 913.01,96.99 v1(975,35) 1030.17,-20.17 1030.17,-65.22 1074.95,-110 R28.1@1090.32,-110
  Bottom Layer w6: v1(975,35) 1084.68,35 R28B.1@1129.68,-10
LED4_BLUE: R35.1 R35B.1 U1.29 | length 817.1
  Top Layer w6: R35.1@-30.63,-110 -25,-110 v1(0,-85) 2.05,-85 21.83,-65.22 21.83,-9.67 51.18,19.68 311.02,19.68 357.66,66.32 357.66,143.72 377.94,164 484.17,164 526.88,206.7 U1.29@526.88,221.91
  Bottom Layer w6: R35B.1@-25,-110 v1(0,-85)
LED4_GREEN: R34.1 R34B.1 U1.27 | length 768.7
  Top Layer w6: R34.1@-42.32,-4 -42.32,7.38 0.3,50 v1(30,50) 41.54,50 47.85,43.68 301.08,43.68 333.66,76.26 333.66,153.66 368.11,188.11 474.34,188.11 495.38,209.15 U1.27@495.38,221.91
  Bottom Layer w6: R34B.1@0,-10.32 30,19.68 v1(30,50)